# Altium PCB APP_EMILE.PcbDoc (part 3 of 6)
Units mil, origin at the board's own origin, x right, y up, seen from the top; angles counter-clockwise.
Board outline 7620.03 x 9320.03 mil, 12 copper layers (L1_Signal, L2_GND, L3_Signal, L4_GND, L5_Power, L6_GND, L7_GND, L8_Power, L9_GND, L10_Signal, L11_GND, L12_Signal), stack 74.268 mil thick; 395 components, 338 nets, 2140 pads, 1400 vias.
Unrouted connection lines stored in the file: 223.
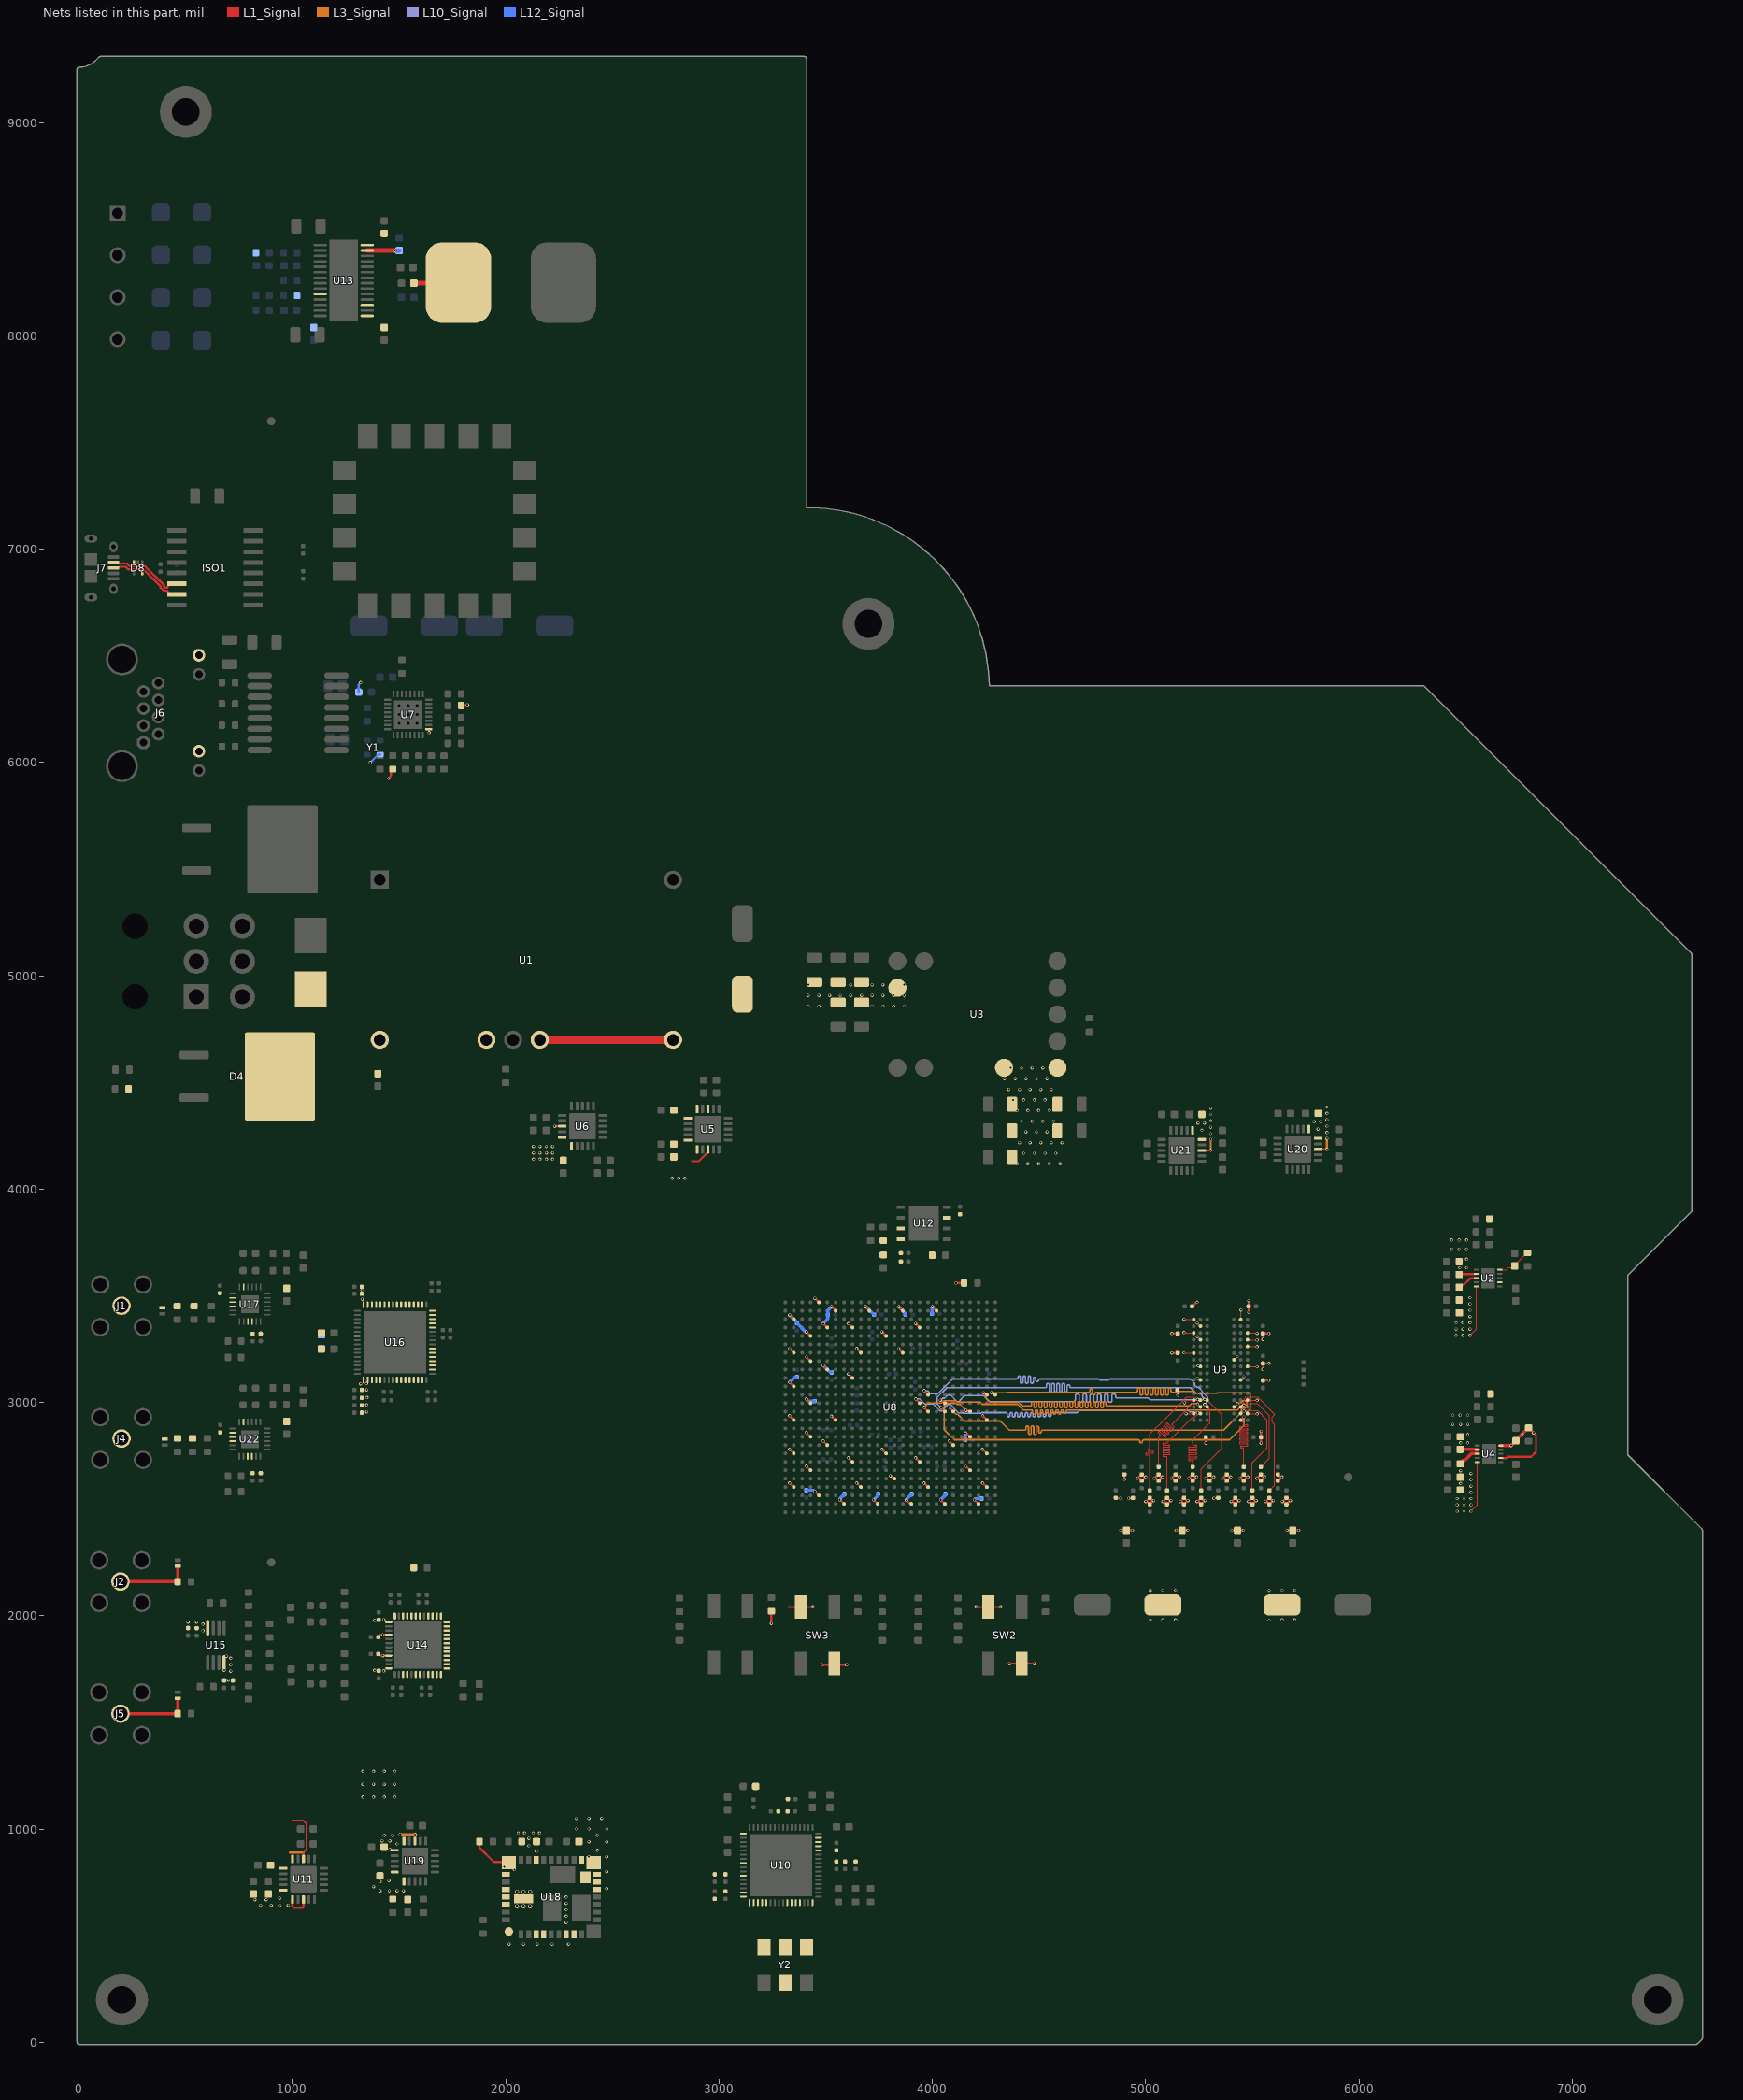
[diagram p13: the nets of this part, all layers, seen from the top]

## Via types
v1: diameter 15, hole 9, L1_Signal to L12_Signal, 719 vias
v2: diameter 15, hole 9, L1_Signal to L12_Signal, tented both sides, 553 vias
v3: diameter 19.68, hole 7.87, L1_Signal to L12_Signal, 89 vias
v4: diameter 13, hole 7, L1_Signal to L12_Signal, 15 vias
v5: diameter 19.68, hole 11.81, L1_Signal to L12_Signal, 15 vias
v6: diameter 22, hole 12, L1_Signal to L12_Signal, 9 vias

## Nets (pads, with @x,y where several pads share a name; then routed paths per layer and width w, separated by ;. In a path a pad name is that pad's centre, name@x,y a point inside that pad or via, vN(x,y) a via of type N, cw(c..) or ccw(c..) an arc to the next point about the centre after c; other vN are vias at no path point) (continued)
3V3: C11.2 C12.2 C13.2 C14.2 C15.2 C19.2 C20.2 C21.2 C31.2 C32.2 C33.2 C37.2 C63.2 C64.2 C65.2 C67.2 C68.2 C69.2 C71.2 C72.2 C73.2 C80.2 C81.2 C82.2 C83.2 C84.2 C86.2 C87.2 C148.2 C151.2 C169.2 C170.2 C171.2 C172.2 C173.2 C174.2 C175.2 C176.2 C177.2 C178.2 C179.2 C180.2 C181.2 C182.2 C183.2 J6.10 J6.12 L2.2 R11.2 R13.2 R16.2 R17.2 R19.2 R20.2 R31.2 R62.2 R63.2 R64.2 R66.1 R67.2 R70.2 SW2.2 SW2.3 SW3.2 SW3.3 U2.2 U2.7 U2.10 U3.5 U3.6 U4.2 U4.7 U4.10 U6.13 U6.15 U6.16 U7.17 U8.AB14 U8.AB23 U8.AC10 U8.AC18 U8.AC21 U8.AD25 U8.AE8 U8.AE12 U8.AE16 U8.AE20 U8.AF22 U8.B3 U8.B7 U8.B11 U8.B15 U8.B19 U8.C22 U8.D2 U8.D9 U8.D17 U8.D25 U8.E13 U8.F4 U8.F23 U8.G10 U8.G18 U8.H2 U8.H14 U8.H25 U8.J6 U8.J21 U8.K4 U8.K23 U8.M2 U8.M20 U8.M25 U8.P23 U8.T25 U8.U18 U8.V21 U8.W23 U8.Y12 U8.Y17 U8.Y25 U10.8 U10.11 U10.15 U10.18 U10.21 U10.26 U10.29 U10.32 U10.44 U12.3 U12.7 U12.8 U13.10 U13.17 U13.27 U20.13 U20.15 U20.16 U21.13 U21.15 U21.16 Y1.4 Y2.2 Y2.6 | length 3908.4
  L1_Signal w3: v1(3448.27,2582.85) v1@3448.35,2582.85 ; U8.C22@3467.94,2563.26 U8.C22@3468.01,2563.26 ; v1(3566.38,2543.48) v1@3566.46,2543.48 ; U8.B19@3586.05,2523.89 U8.B19@3586.12,2523.89 ; v1(3605.75,2740.33) v1@3605.83,2740.33 ; U8.G18@3625.42,2720.74 U8.G18@3625.49,2720.74 ; v1(3645.12,2622.22) v1@3645.2,2622.22 ; U8.D17@3664.79,2602.63 U8.D17@3664.86,2602.63 ; v1(3723.86,2543.48) v1@3723.94,2543.48 ; U8.B15@3743.53,2523.89 U8.B15@3743.61,2523.89 ; v1(3763.23,2779.7) v1(3763.23,2779.7) ; U8.H14@3782.9,2760.11 U8.H14@3782.98,2760.11 ; v1(3920.72,2740.33) v1@3920.79,2740.33 ; U8.G10@3940.38,2720.74 U8.G10@3940.46,2720.74 ; v1(3960.09,2622.22) v1@3960.16,2622.22 ; U8.D9@3979.75,2602.63 U8.D9@3979.83,2602.63 ; v1(4038.9,2543.48) v1@4038.98,2543.48 ; U8.B7@4058.57,2523.89 U8.B7@4058.64,2523.89 ; v1(4196.38,2543.48) v1@4196.46,2543.48 ; U8.B3@4216.05,2523.89 U8.B3@4216.12,2523.89
  L1_Signal w5: C21.2@6469.5,3600 C21.2@6471.78,3602.28 ; C33.2@6474.41,2776.97 C33.2@6476.7,2779.26 ; U2.10@6660.12,3621.97 6689.77,3621.97 6699.25,3631.45 6720.95,3631.45 C19.2@6730,3640.5 6730,3642.25 6789.25,3701.5 R11.2@6790,3701.5
  L1_Signal w10: v2(1450,5925) 1450,5926.35 1461.65,5938 1461.65,5960.15 R19.2@1470,5968.5 ; U7.17@1638.58,6156.1 1639.92,6156.1 1640,6156.02 v2(1640,6140) ; R20.2@1791.5,6267.13 1793.42,6269.04 1819.04,6269.04 v2(1820,6270) ; v2(2230,4294.77) U6.13@2265.16,4294.77 ; v1(3245.02,1963.31) R31.2@3245.02,2021.08 ; 3324.47,2040.99 SW3.2@3382.23,2040.99 v1(3440,2040.99) ; v2(3330.24,2622) 3330.54,2622 U8.D25@3349.9,2602.63 ; v2(3330.24,2779.7) v2(3330.24,2779.7) U8.H25@3349.9,2760.11 ; v2(3330.24,2937.18) 3349.83,2917.59 U8.M25@3349.9,2917.59 ; v2(3330.24,3094.66) 3349.83,3075.07 U8.T25@3349.9,3075.07 ; v2(3330.24,3252.14) v2(3330.24,3252.14) U8.Y25@3349.9,3232.55 ; v2(3330.24,3409.62) 3349.83,3390.03 U8.AD25@3349.9,3390.03 ; v2(3408.98,2700.96) 3409.05,2700.96 U8.F23@3428.64,2681.37 ; v2(3408.98,2858.44) 3428.57,2838.85 U8.K23@3428.64,2838.85 ; v2(3408.98,3015.92) 3409.05,3015.92 U8.P23@3428.64,2996.33 ; v2(3408.98,3212.77) 3409.05,3212.77 U8.W23@3428.64,3193.18 ; v2(3408.98,3330.88) 3428.57,3311.29 U8.AB23@3428.64,3311.29 ; v1@3448.35,2582.85 U8.C22@3467.94,2563.26 ; v2(3448.35,3488.36) v2(3448.35,3488.36) U8.AF22@3468.01,3468.77 ; v1(3482.23,1770) v1(3597.76,1770) ; v2(3487.72,2819.07) 3487.79,2819.07 U8.J21@3507.38,2799.48 ; v2(3487.72,3173.4) 3507.31,3153.81 U8.V21@3507.38,3153.81 ; v2(3487.72,3369.14) 3488.91,3369.14 U8.AC21@3507.38,3350.66 ; v2(3526.51,2934.91) 3539.96,2921.45 3540.81,2921.45 3544.67,2917.59 U8.M20@3546.75,2917.59 ; v2(3527.09,3448.99) 3546.68,3429.4 U8.AE20@3546.75,3429.4 ; v1@3566.46,2543.48 U8.B19@3586.05,2523.89 ; v1@3605.83,2740.33 U8.G18@3625.42,2720.74 ; v2(3606.33,3369.14) 3607.02,3369.14 U8.AC18@3625.49,3350.66 ; v2(3606.48,3133.53) 3606.48,3133.46 U8.U18@3625.49,3114.44 ; v2(3644.64,3252.66) 3664.75,3232.55 U8.Y17@3664.86,3232.55 ; v1@3645.2,2622.22 U8.D17@3664.79,2602.63 ; v2(3685.76,3448.99) 3704.23,3430.52 U8.AE16@3704.23,3429.4 ; v1@3723.94,2543.48 U8.B15@3743.53,2523.89 ; v1(3763.23,2779.7) U8.H14@3782.9,2760.11 ; v2(3763.31,3330.88) 3763.38,3330.88 U8.AB14@3782.98,3311.29 ; v1(3802.66,2655.65) 3804.01,2655.65 3815.83,2643.83 3820.44,2643.83 U8.E13@3822.27,2642 ; v2(3842.05,3252.14) v2(3842.05,3252.14) U8.Y12@3861.72,3232.55 ; v2(3842.05,3448.99) v2(3842.05,3448.99) U8.AE12@3861.72,3429.4 ; v1(3878.4,2540.54) 3879.75,2540.54 3894.57,2525.72 3899.18,2525.72 U8.B11@3901.01,2523.89 ; v1@3920.79,2740.33 U8.G10@3940.38,2720.74 ; v2(3920.79,3370.25) 3920.86,3370.25 U8.AC10@3940.46,3350.66 ; v1@3960.16,2622.22 U8.D9@3979.75,2602.63 ; v2(3999.53,3448.99) v2(3999.53,3448.99) U8.AE8@4019.2,3429.4 ; v1@4038.98,2543.48 U8.B7@4058.57,2523.89 ; v2(4078.2,2819.07) 4078.35,2819.07 U8.J6@4097.94,2799.48 ; v1(4110,3560) R66.1@4148.5,3560 ; v2(4154.95,2856.38) 4155.91,2855.43 4159.16,2855.43 4175.73,2838.85 U8.K4@4176.68,2838.85 ; v2(4157.01,2699.12) 4158.93,2699.12 U8.F4@4176.68,2681.37 ; v1@4196.46,2543.48 U8.B3@4216.05,2523.89 ; v1(4204.47,2040.99) SW2.2@4262.23,2040.99 v1(4320,2040.99) ; v2(4235.75,2622.22) 4255.34,2602.63 U8.D2@4255.42,2602.63 ; v2(4235.75,2779.7) 4255.34,2760.11 U8.H2@4255.42,2760.11 ; v2(4236.06,2937.49) 4236.06,2937.4 4255.42,2918.04 U8.M2@4255.42,2917.59 ; v1(4361.95,1775.24) SW2.3@4419.72,1775.24 v1(4477.48,1775.24) ; U21.13@5263.31,4181.49 v2(5305,4181.49) ; U20.13@5808.31,4186.49 v2(5850,4186.49) ; C21.2@6471.78,3602.28 U2.2@6549.88,3602.28 ; U4.7@6665.27,2738.89 6694.16,2738.89 6700,2744.73 6806.47,2744.73 6830,2768.26 6830,2845.47 6807.01,2868.47 6807.01,2870.65 6796.58,2881.07 R16.2@6795.15,2881.07 R16.2@6794.4,2881.07
  L1_Signal w15: C33.2@6476.7,2779.26 U4.2@6554.8,2779.26 ; U4.10@6665.27,2797.94 v1(6713.52,2797.94) 6735.15,2819.57 C31.2@6735.15,2820.07 6735.15,2821.82 R16.2@6794.4,2881.07
  L1_Signal w20: U13.27@1350.24,8400.75 1479.25,8400.75 v2(1480,8400)
  L3_Signal w10: v2(5305,4181.49) v2(5305,4232.67) ; v2(5850,4186.49) v2(5850,4237.67)
  L12_Signal w10: L2.2@1310.5,6330 1310.5,6365.88 v2(1319.45,6374.83) ; v2(1364.85,6000.06) 1402.31,6037.52 Y1.4@1410.51,6037.52
  L12_Signal w15: v2(3330.24,3094.66) 3351.57,3116 3362.5,3116 C171.2@3365,3118.5 ; v2(3330.24,3409.62) 3362.5,3377.36 3362.5,3374 C175.2@3365,3371.5 3405.62,3330.88 v2(3408.98,3330.88) ; C174.2@3408.98,2588.5 3442.63,2588.5 v1(3448.27,2582.85) ; v2(3408.98,3015.92) 3418.4,3006.5 C178.2@3448,3006.5 ; v2(3487.72,3173.4) 3518.12,3143 3525.5,3143 C170.2@3528,3140.5 ; v2(3487.72,3369.14) 3509.5,3390.92 C183.2@3509.5,3411 3509.5,3431.41 v2(3527.09,3448.99) ; v1(3566.38,2543.48) 3566.38,2549.13 C179.2@3588.25,2571 ; v2(3685.76,3448.99) 3689.51,3448.99 C176.2@3726.5,3412 ; v1(3723.86,2543.48) 3743.5,2563.12 3743.5,2568.5 C172.2@3746,2571 ; v2(3842.05,3448.99) 3871,3420.04 3871,3414.5 C169.2@3873.5,3412 ; v1(3878.4,2540.54) 3878.4,2546.18 C180.2@3903.22,2571 ; C177.2@3997.5,3416 3997.5,3446.96 v2(3999.53,3448.99) ; v1(4038.9,2543.48) 4058.5,2563.08 4058.5,2568.5 C173.2@4061,2571 ; C181.2@4153.5,2824 4153.5,2854.93 v2(4154.95,2856.38) ; v1(4196.38,2543.48) 4201.9,2549 C182.2@4230.5,2549
  L12_Signal w20: v2(1480,8400) 1499.5,8400 C87.2@1500,8400.5
  other v1: 6476.7,2810 6510,2810 6510,2850 6764.78,2851.45 6818.5,2856.97 6440,2896.97 6475.15,2896.97 6510,2896.97 6440,2940 6474.41,2940 6510,2940 6471.83,3631.3 6505.13,3631.3 6505.13,3671.3 6435.13,3718.27 6470.28,3718.27 6505.13,3718.27 6435.13,3761.3 6469.54,3761.3 6505.13,3761.3
  other v2: 4397.89,4117.98 4447.89,4117.98 4497.89,4117.98 4547.89,4117.98 4597.89,4117.98 2130,4140 2160,4140 2190,4140 2220,4140 4427.89,4167.98 4477.89,4167.98 4527.89,4167.98 4577.89,4167.98 2130,4170 2160,4170 2190,4170 2220,4170 2129.65,4200.28 2160,4200 2189.65,4200.28 2220,4200 4407.89,4217.98 4457.89,4217.98 4507.89,4217.98 4557.89,4217.98 4607.89,4217.98 5305,4260 5850,4265 4437.89,4267.98 4487.89,4267.98 4537.89,4267.98 5263.31,4275.98 5808.31,4280.98 5305,4290 5850,4295 5245,4310 5275,4310 5790,4315 5820,4315 4417.89,4317.98 4467.89,4317.98 4517.89,4317.98 4567.89,4317.98 5305,4320 5850,4325 5305,4350 5850,4355 4397.89,4367.98 4447.89,4367.98 4497.89,4367.98 4547.89,4367.98 5305,4380 5850,4385 4377.89,4417.98 4427.89,4417.98 4477.89,4417.98 4527.89,4417.98 4357.89,4467.98 4407.89,4467.98 4457.89,4467.98 4507.89,4467.98 4557.89,4467.98 4337.89,4517.98 4387.89,4517.98 4437.89,4517.98 4487.89,4517.98 4537.89,4517.98 4367.89,4567.98 4417.89,4567.98 4467.89,4567.98 4517.89,4567.98
5V5: C5.1 C6.2 C7.2 C8.2 C9.2 C10.2 C34.2 C135.2 U1.5 U1.6 U3.2 U5.13 U5.15 U5.16 U11.13 U11.15 U11.16 | length 933
  L1_Signal w8: 1000.28,1040 1050,1040 1066.49,1023.51 1066.49,904.72 1051.46,889.69 U11.13@1051.46,858.98
  L1_Signal w40: U1.5@2159.16,4700 U1.6@2784.16,4700
  L3_Signal w10: 987.46,890.49 987.94,890 1051.46,890
  other v2: 1330,1150 1380,1150 1430,1150 1480,1150 1330,1210 1380,1210 1430,1210 1480,1210 1330,1270 1380,1270 1430,1270 1480,1270 3417.89,4857.98 3467.89,4857.98 3717.89,4857.98 3767.89,4857.98 3817.89,4857.98 3867.89,4857.98 3417.89,4907.98 3467.89,4907.98 3517.89,4907.98 3567.89,4907.98 3617.89,4907.98 3667.89,4907.98 3717.89,4907.98 3767.89,4907.98 3817.89,4907.98 3867.89,4907.98 3417.89,4957.98 3617.89,4957.98 3717.89,4957.98 3767.89,4957.98 3867.89,4957.98
24V: C4.2 C85.2 C88.1 C90.1 C92.2 C143.2 D4.4 F1.2 R1.2 R109.2 U1.2 U1.3 U13.15 U13.28 U18.26 | length 50.5
  L1_Signal w20: C90.1@1569.5,8247.2 1620,8247.2
  other v1: 2143.25,896.06 2108.25,921.06 2108.25,956.06 2058.25,981.06 2088.25,981.06 2128.25,981.06 2158.25,981.06
100MHz_N: U10.28
100MHz_P: U10.27
125MHz_N: U10.46 Y2.5
125MHz_P: U10.45 Y2.4
200MHz_N: U10.20 U14.20
200MHz_P: U10.19 U14.19
400MHz_N: U10.17 U14.18
400MHz_P: U10.16 U14.17
-5V: C74.2 C97.2 C139.2 C140.1 R112.1 U15.4 U17.21 U17.22 U19.1 U19.20 U22.21 U22.22
  other v1: 1410,710 1453.58,710.08 1490,710 1520,710 1380,730 1410,753.5 1451.77,758.7 580,1930 580,1960 510,1970 550,1970
-7V: C138.2 C141.2 R110.1 U18.1 U18.4 U18.5 U18.8 U18.9 U18.16 U18.17 U18.18 U18.19 U18.20 U18.29 U18.30 U18.32 U18.33 U18.34 U18.37 U18.40 U19.13 U19.15 U19.16 | length 295.8
  L1_Signal w10: U19.13@1573.82,943.86 1573.82,974.12 v2(1574.39,974.69) ; R110.1@1876.75,941.06 1876.75,912.56 1943.25,846.06 2010.85,846.06 U18.29@2014.43,842.47
  L3_Signal w10: v2(1505,974.88) 1505.09,974.79 1574.3,974.79 v2(1574.39,974.69)
  other v1: 2015.04,460.59 2083.33,460.59 2147.36,460.59 2217.07,460.59 2294.4,460.59 2283.25,561.06 2283.25,591.06 2283.25,621.06 2283.25,651.06 2283.25,681.06 2473.25,720 2473.25,800 2040,810 1992.78,822.75 2390,870 2473.25,870 2430,900 1456.5,905.22 1490,930 2390,940 2473.25,940 1419.6,944.96 1456.5,944.88 1430,971.41 1467.87,971.41 2430,971.06 2330,1000 2390,1000 2473.25,1000 2330,1050 2390,1050 2450,1050
  other v5: 2052.62,638.54 2083.33,638.54 2114.04,638.54 2052.62,706.25 2083.33,706.25 2114.04,706.25
A3V3: C24.2 C25.2 C98.2 C99.2 C100.2 C116.2 C117.2 C118.2 C119.2 C120.2 C121.2 C132.2 L3.2 U5.1 U5.3 U5.20 U10.1 U10.47 U14.37 U14.40 U14.45 U14.48 U16.16 U16.33 U16.34 | length 210.8
  L1_Signal w10: C99.2@1402.5,1820 1403.04,1820 1410.56,1812.48 U14.45@1451.32,1812.48 ; C98.2@1402.5,1900 1413.41,1910.91 U14.40@1451.32,1910.91 ; 2873,4131 2905.28,4131 2948,4173.72 U5.3@2948,4186.51
  other v2: 1427.79,1741.08 1384.79,1743.08 1423.79,1811.92 1422.79,1910.92 1384.79,1978.92 1427.79,1980.92 1347.75,2955.52 1348,2988 1348.75,3022.52 1348,3059 1319.75,3087.52 1346.75,3088.52 1327.25,3484.02 1325.62,3525.95 2780,4050 2810,4050 2840,4050
A5V: C130.2 C131.2 C133.2 C134.2 C189.2 C190.2 C191.2 C192.2 C193.2 C194.2 U11.1 U11.3 U11.20 U15.8 U17.3 U17.4 U17.20 U22.3 U22.4 U22.20 | length 125.6
  L1_Signal w10: U11.1@1000.28,670 998.39,668.11 998.39,640.75 997.64,640 1007.64,630 1045.6,630 1051.46,635.86 U11.3@1051.46,670
  other v1: 850,642.44 900,642.44 940.47,642.44 980.18,642.44 822.85,668.62 876.72,668.62 940.47,675.48 699.69,1698.08 710,1740 680,1744.57 710,1770 710,1800 690,1810
ADC_CLK_N: C113.2 R98.1
ADC_CLK_P: C112.2 R98.2
ADC_CTRL1: U16.35
ADC_CTRL2: U16.36
ADC_CTRL3: U16.37
ADC_DA0_N: U16.40
ADC_DA0_P: U16.41
ADC_DA2_N: U16.42
ADC_DA2_P: U16.43
ADC_DA4_N: U16.44
ADC_DA4_P: U16.45
ADC_DA6_N: U16.46
ADC_DA6_P: U16.47
ADC_DA8_N: U16.50
ADC_DA8_P: U16.51
ADC_DA10_N: U16.52
ADC_DA10_P: U16.53
ADC_DA12_N: U16.54
ADC_DA12_P: U16.55
ADC_DB0_N: U16.60
ADC_DB0_P: U16.61
ADC_DB2_N: U16.62
ADC_DB2_P: U16.63
ADC_DB4_N: U16.2
ADC_DB4_P: U16.3
ADC_DB6_N: U16.4
ADC_DB6_P: U16.5
ADC_DB8_N: U16.6
ADC_DB8_P: U16.7
ADC_DB10_N: U16.8
ADC_DB10_P: U16.9
ADC_DB12_N: U16.10
ADC_DB12_P: U16.11
ADC_IN_1: D1.1 J1.1 R101.2 R103.2
ADC_IN_2: D6.1 J4.1 R93.2 R95.2
ADC_RST: U16.12
ADC_SCLK: U16.13
ADC_SDATA: U16.14
ADC_SDOUT: U16.64
ADC_SEN: U16.15
ADC_VMC: C110.2 C114.2 U16.23 U17.17 U22.17
D\A\C\_\C\S\: U14.33
D\A\C\_\I\R\Q\: R89.1 U14.34
D\A\C\_\R\E\S\E\T\: U14.36
D_N: D8.3 ISO1.6 J7.2 | length 376.8
  L1_Signal w10.25: J7.2@160.98,6938.11 163.72,6935.36 186.01,6935.36 188.43,6932.94 224.04,6932.94 235.86,6921.11 256.29,6921.11 ; D8.3@256.29,6939.1 256.29,6921.11 ; ISO1.6@457.73,6838.11 423.48,6838.11 417.6,6832.23 417.6,6826.74 411.59,6820.74 403.1,6820.74 397.1,6826.74 397.1,6831.87 307.86,6921.11 256.29,6921.11
D_p: D8.5 ISO1.7 J7.3 | length 378.8
  L1_Signal w10.25: J7.3@160.98,6912.52 163.72,6915.27 186.01,6915.27 188.43,6917.69 217.72,6917.69 229.55,6905.86 296,6905.86 ; D8.5@295.66,6885.95 295.66,6905.52 296,6905.86 ; ISO1.7@457.73,6788.11 423.48,6788.11 417.6,6793.99 417.6,6799.48 411.59,6805.49 396.78,6805.49 381.85,6820.43 381.85,6825.56 301.54,6905.86 296,6905.86
DAC_CLK_N: U14.4 U14.7
DAC_CLK_P: U14.3 U14.6
DAC_D0_N: U14.28
DAC_D0_P: U14.27
DAC_D1_N: U14.26
DAC_D1_P: U14.25
DAC_D2_N: U14.24
DAC_D2_P: U14.23
DAC_D3_N: U14.22
DAC_D3_P: U14.21
DAC_D4_N: U14.16
DAC_D4_P: U14.15
DAC_D5_N: U14.14
DAC_D5_P: U14.13
DAC_D6_N: U14.12
DAC_D6_P: U14.11
DAC_D7_N: U14.10
DAC_D7_P: U14.9
DAC_OUT_1: D2.1 J2.1 R77.1 | length 340.9
  L1_Signal w15: J2.1@193.35,2160 R77.1@461.85,2160 D2.1@461.85,2232.43
DAC_OUT_2: D7.1 J5.1 R84.1 | length 340.9
  L1_Signal w15: J5.1@193.35,1540.63 R84.1@461.85,1540.63 D7.1@461.85,1613.06
DAC_SCLK: U14.32
DAC_SDIO: U14.31
DAC_TXENABLE: U14.30
DDR3_0V75: C26.2 C27.2 C28.2 C45.2 C46.2 C47.1 C48.2 C49.2 C50.2 C51.1 C52.2 C195.2 C196.2 C197.2 C198.2 C199.2 C200.2 C201.2 C202.2 C203.2 C204.2 C205.2 C206.2 C207.2 C208.2 C209.2 R38.2 R39.2 R40.2 R41.2 R42.2 R43.2 R44.2 R45.2 R46.2 R47.2 R48.2 R49.2 R50.2 R51.2 R52.2 R53.2 R54.2 R57.2 R58.2 R59.2 R60.2 U4.3 U4.5 | length 2036.3
  L1_Signal w5: v1(6524.91,2490) 6554.8,2519.88 U4.5@6554.8,2720.2
  L1_Signal w10: R57.2@4860,2552.5 4861.54,2550.96 4879.04,2550.96 v1(4880,2550) ; v1(4882.5,2400) C49.2@4910,2400 v1(4937.5,2400) ; v1(4900,2640) R58.2@4900,2662.5 ; v1(4920,2550) 4920.96,2550.96 4938.46,2550.96 R60.2@4940,2552.5 ; v1@4963.5,2645 R52.2@4981,2662.5 4981.54,2662.5 v1@4993.08,2650.96 ; v1@4969.46,2644.04 C207.2@4981,2632.5 4981.54,2632.5 4999.04,2650 v1(5000,2650) ; v1@5001.05,2535 5018.55,2552.5 R41.2@5019.09,2552.5 v1@5030.63,2540.96 ; v1@5007.01,2534.04 5018.55,2522.5 C202.2@5019.09,2522.5 5036.59,2540 v1(5037.55,2540) ; v1@5041.96,2645 5059.46,2662.5 R43.2@5060,2662.5 v1@5071.54,2650.96 ; v1@5047.92,2644.04 5059.46,2632.5 C197.2@5060,2632.5 5077.5,2650 v1(5078.46,2650) ; v1@5081.96,2535 5099.46,2552.5 R45.2@5100,2552.5 v1@5111.54,2540.96 ; v1@5087.92,2534.04 5099.46,2522.5 C208.2@5100,2522.5 5117.5,2540 v1(5118.46,2540) ; v1@5121.96,2645 5139.46,2662.5 R47.2@5140,2662.5 v1@5151.54,2650.96 ; v1@5127.92,2644.04 5139.46,2632.5 C52.2@5140,2632.5 5157.5,2650 v1(5158.46,2650) ; v1(5142.5,2400) C50.2@5170,2400 v1(5197.5,2400) ; v1@5162.5,2535 R51.2@5180,2552.5 ; v1@5168.46,2534.04 C205.2@5180,2522.5 ; C205.2@5179.46,2522.5 C205.2@5180,2522.5 ; R51.2@5179.46,2552.5 R51.2@5180,2552.5 ; v1@5191.54,2540.96 R51.2@5180,2552.5 ; v1(5198.46,2540) 5197.5,2540 C205.2@5180,2522.5 ; v1@5201.96,2645 5219.46,2662.5 R40.2@5220,2662.5 v1@5231.54,2650.96 ; v1@5207.92,2644.04 5219.46,2632.5 C203.2@5220,2632.5 5237.5,2650 v1(5238.46,2650) ; v1@5241.96,2535 5259.46,2552.5 R38.2@5260,2552.5 v1@5271.54,2540.96 ; v1@5247.92,2534.04 5259.46,2522.5 C204.2@5260,2522.5 5277.5,2540 v1(5278.46,2540) ; v1@5281.96,2645 5299.46,2662.5 R54.2@5300,2662.5 v1@5311.54,2650.96 ; v1@5287.92,2644.04 5299.46,2632.5 C206.2@5300,2632.5 5317.5,2650 v1(5318.46,2650) ; v1(5320,2550) 5320.96,2550.96 5338.46,2550.96 R59.2@5340,2552.5 ; v1@5361.96,2645 5379.46,2662.5 R50.2@5380,2662.5 v1@5391.54,2650.96 ; v1@5367.92,2644.04 5379.46,2632.5 C201.2@5380,2632.5 5397.5,2650 v1(5398.46,2650) ; v1@5401.96,2535 5419.46,2552.5 R49.2@5420,2552.5 v1@5431.54,2540.96 ; v1(5402.5,2400) C45.2@5430,2400 v1(5457.5,2400) ; v1@5407.92,2534.04 5419.46,2522.5 C199.2@5420,2522.5 5437.5,2540 v1(5438.46,2540) ; v1@5441.96,2645 5459.46,2662.5 R46.2@5460,2662.5 v1@5471.54,2650.96 ; v1@5447.92,2644.04 5459.46,2632.5 C198.2@5460,2632.5 5477.5,2650 v1(5478.46,2650) ; v1@5482.5,2535 R44.2@5500,2552.5 ; v1@5488.46,2534.04 C196.2@5500,2522.5 ; C196.2@5499.46,2522.5 C196.2@5500,2522.5 ; R44.2@5499.46,2552.5 R44.2@5500,2552.5 ; v1@5511.54,2540.96 R44.2@5500,2552.5 ; v1(5518.46,2540) 5517.5,2540 C196.2@5500,2522.5 ; v1@5521.96,2645 5539.46,2662.5 R42.2@5540,2662.5 v1@5551.54,2650.96 ; v1@5527.92,2644.04 5539.46,2632.5 C200.2@5540,2632.5 5557.5,2650 v1(5558.46,2650) ; v1@5562.5,2535 R39.2@5580,2552.5 ; v1@5568.46,2534.04 C48.2@5580,2522.5 ; C48.2@5579.46,2522.5 C48.2@5580,2522.5 ; R39.2@5579.46,2552.5 R39.2@5580,2552.5 ; v1@5591.54,2540.96 R39.2@5580,2552.5 ; v1(5598.46,2540) 5597.5,2540 C48.2@5580,2522.5 ; C209.2@5619.46,2632.5 C209.2@5620,2632.5 5637.5,2650 v1(5638.46,2650) ; R53.2@5619.46,2662.5 R53.2@5620,2662.5 v1@5631.54,2650.96 ; v1@5641.96,2535 5659.46,2552.5 R48.2@5660,2552.5 v1@5671.54,2540.96 ; v1@5647.92,2534.04 5659.46,2522.5 C195.2@5660,2522.5 5677.5,2540 v1(5678.46,2540) ; v1(5662.5,2400) C46.2@5690,2400 v1(5717.5,2400)